# KiCad board Mioke80.kicad_pcb (continued)
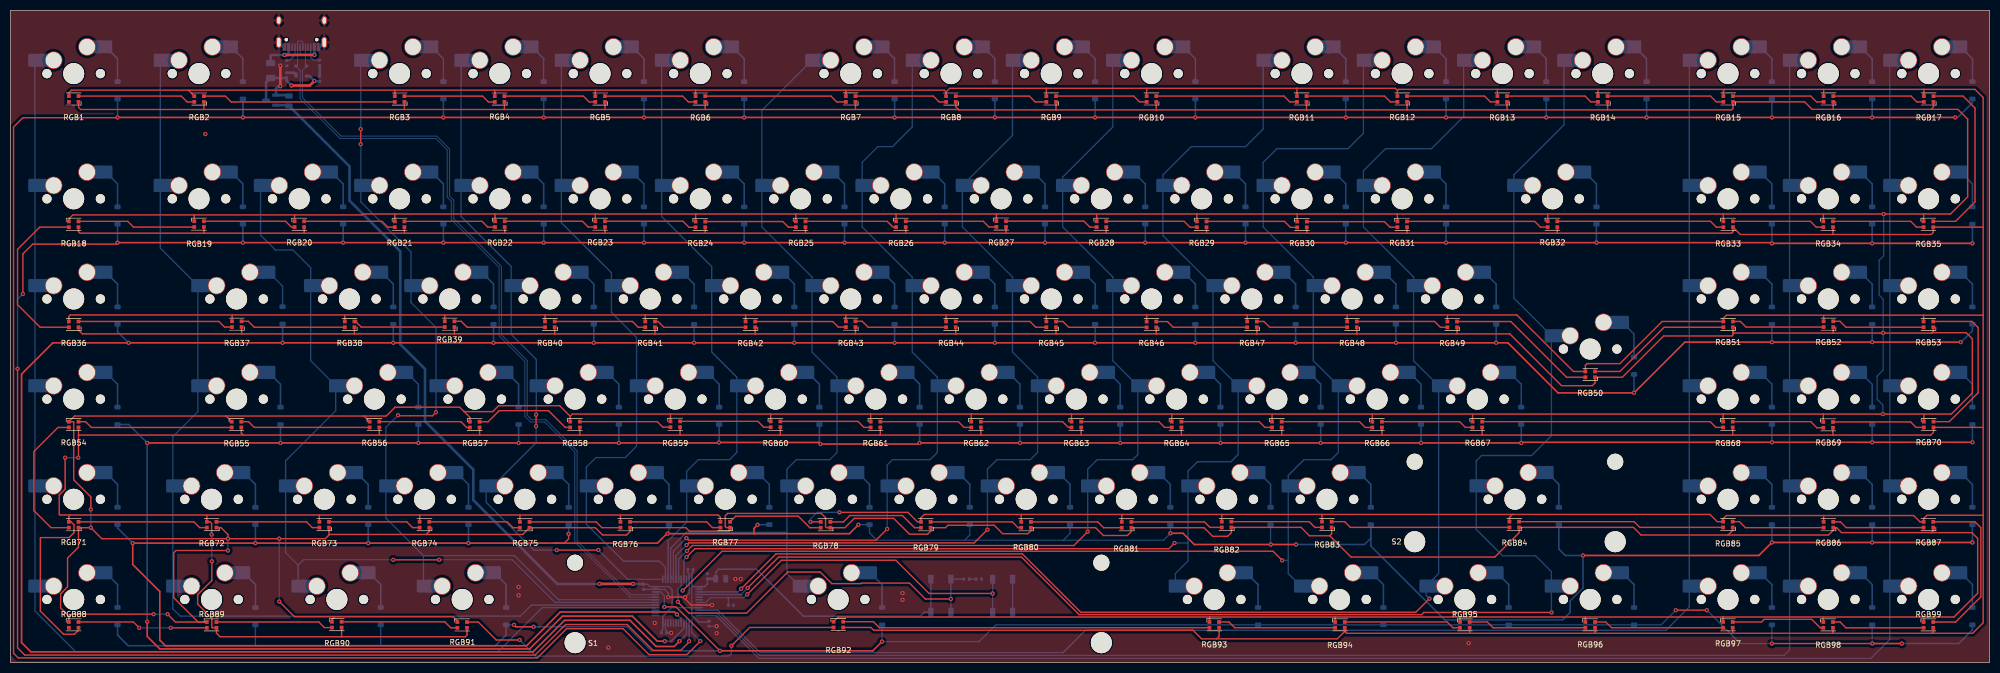
[diagram p0: board, top side]
## Routing (per net, layer and track width the routed paths; a pad name or vN(x,y) marks a point on that pad's centre or on a via; arc(x,y) is an arc through that point) (continued)
Net-(D11-A): length 7.5
  Bottom w0.3: D11.2 253.7,114.84 MX11.2
Net-(D12-A): length 7.5
  Bottom w0.3: 270.5,117.08 272.75,114.84 D12.2
Net-(D13-A): length 7.5
  Bottom w0.3: MX13.2 291.8,114.84 D13.2
Net-(D14-A): length 7.5
  Bottom w0.3: D14.2 310.85,114.84 MX14.2
Net-(D15-A): length 7.5
  Bottom w0.3: MX15.2 334.66,114.84 D15.2
Net-(D16-A): length 7.5
  Bottom w0.3: MX16.2 353.71,114.84 D16.2
Net-(D17-A): length 7.5
  Bottom w0.3: D17.2 372.76,114.84 MX17.2
Net-(D18-A): length 7.5
  Bottom w0.3: MX18.2 20.33,91.02 D18.2
Net-(D19-A): length 7.5
  Bottom w0.3: D19.2 44.15,91.02 MX19.2
Net-(D20-A): length 7.5
  Bottom w0.3: MX20.2 63.2,91.02 D20.2
Net-(D21-A): length 7.5
  Bottom w0.3: MX21.2 82.25,91.02 D21.2
Net-(D22-A): length 7.5
  Bottom w0.3: D22.2 101.3,91.02 MX22.2
Net-(D23-A): length 7.5
  Bottom w0.3: D23.2 120.35,91.02 MX23.2
Net-(D24-A): length 7.5
  Bottom w0.3: MX24.2 139.4,91.02 D24.2
Net-(D25-A): length 7.5
  Bottom w0.3: MX25.2 158.45,91.02 D25.2
Net-(D26-A): length 7.5
  Bottom w0.3: 175.25,93.27 177.5,91.02 D26.2
Net-(D27-A): length 7.5
  Bottom w0.3: MX27.2 196.55,91.02 D27.2
Net-(D28-A): length 7.5
  Bottom w0.3: D28.2 215.6,91.02 MX28.2
Net-(D29-A): length 7.5
  Bottom w0.3: MX29.2 234.65,91.02 D29.2
Net-(D30-A): length 7.5
  Bottom w0.3: MX30.2 253.7,91.02 D30.2
Net-(D31-A): length 7.5
  Bottom w0.3: D31.2 272.75,91.02 270.5,93.27
Net-(D32-A): length 7.5
  Bottom w0.3: D32.2 301.32,91.02 MX32.2
Net-(D33-A): length 7.5
  Bottom w0.3: D33.2 334.66,91.02 MX33.2
Net-(D34-A): length 7.5
  Bottom w0.3: D34.2 353.71,91.02 MX34.2
Net-(D35-A): length 7.5
  Bottom w0.3: D35.2 372.76,91.02 MX35.2
Net-(D36-A): length 7.5
  Bottom w0.3: MX36.2 20.33,71.97 D36.2
Net-(D37-A): length 7.6
  Bottom w0.25: MX37.2 51.69,71.58 D37.2
Net-(D38-A): length 7.5
  Bottom w0.3: D38.2 72.72,71.97 MX38.2
Net-(D39-A): length 7.5
  Bottom w0.3: MX39.2 91.77,71.97 D39.2
Net-(D40-A): length 7.5
  Bottom w0.3: D40.2 110.82,71.97 MX40.2
Net-(D41-A): length 7.5
  Bottom w0.3: MX41.2 129.87,71.97 D41.2
Net-(D42-A): length 7.5
  Bottom w0.3: D42.2 148.92,71.97 MX42.2
Net-(D43-A): length 7.5
  Bottom w0.3: MX43.2 167.97,71.97 D43.2
Net-(D44-A): length 7.5
  Bottom w0.3: D44.2 187.02,71.97 MX44.2
Net-(D45-A): length 7.5
  Bottom w0.3: D45.2 206.07,71.97 MX45.2
Net-(D46-A): length 7.5
  Bottom w0.3: D46.2 225.12,71.97 MX46.2
Net-(D47-A): length 7.5
  Bottom w0.3: MX47.2 244.17,71.97 D47.2
Net-(D48-A): length 7.5
  Bottom w0.3: MX48.2 263.22,71.97 D48.2
Net-(D49-A): length 7.5
  Bottom w0.3: MX49.2 282.27,71.97 D49.2
Net-(D50-A): length 7.5
  Bottom w0.3: MX50.2 308.47,62.45 D50.2
Net-(D51-A): length 7.5
  Bottom w0.3: D51.2 334.66,71.97 MX51.2
Net-(D52-A): length 7.5
  Bottom w0.3: D52.2 353.71,71.97 MX52.2
Net-(D53-A): length 7.5
  Bottom w0.3: D53.2 372.76,71.97 MX53.2
Net-(D54-A): length 7.5
  Bottom w0.3: MX54.2 20.33,52.92 D54.2
Net-(D55-A): length 7.5
  Bottom w0.3: D55.2 51.29,52.92 MX55.2
Net-(D56-A): length 7.5
  Bottom w0.3: D56.2 77.48,52.92 MX56.2
Net-(D57-A): length 7.5
  Bottom w0.3: MX57.2 96.53,52.92 D57.2
Net-(D58-A): length 7.5
  Bottom w0.3: D58.2 115.58,52.92 MX58.2
Net-(D59-A): length 7.5
  Bottom w0.3: MX59.2 134.63,52.92 D59.2
Net-(D60-A): length 7.5
  Bottom w0.3: MX60.2 153.68,52.92 D60.2
Net-(D61-A): length 7.5
  Bottom w0.3: D61.2 172.73,52.92 MX61.2
Net-(D62-A): length 7.5
  Bottom w0.3: MX62.2 191.78,52.92 D62.2
Net-(D63-A): length 7.5
  Bottom w0.3: D63.2 210.83,52.92 MX63.2
Net-(D64-A): length 7.5
  Bottom w0.3: MX64.2 229.88,52.92 D64.2
Net-(D65-A): length 7.5
  Bottom w0.3: D65.2 248.93,52.92 MX65.2
Net-(D66-A): length 7.5
  Bottom w0.3: D66.2 267.98,52.92 MX66.2
Net-(D67-A): length 7.5
  Bottom w0.3: D67.2 287.03,52.92 MX67.2
Net-(D68-A): length 7.5
  Bottom w0.3: MX68.2 334.66,52.92 D68.2
Net-(D69-A): length 7.5
  Bottom w0.3: D69.2 353.71,52.92 MX69.2
Net-(D70-A): length 7.5
  Bottom w0.3: MX70.2 372.76,52.92 D70.2
Net-(D71-A): length 7.5
  Bottom w0.3: D71.2 20.33,33.87 MX71.2
Net-(D72-A): length 7.5
  Bottom w0.3: MX72.2 46.53,33.87 D72.2
Net-(D73-A): length 7.5
  Bottom w0.3: D73.2 67.96,33.87 MX73.2
Net-(D74-A): length 7.5
  Bottom w0.3: D74.2 87.01,33.87 MX74.2
Net-(D75-A): length 7.5
  Bottom w0.3: MX75.2 106.06,33.87 D75.2
Net-(D76-A): length 7.5
  Bottom w0.3: MX76.2 125.11,33.87 D76.2
Net-(D77-A): length 7.5
  Bottom w0.3: MX77.2 144.16,33.87 D77.2
Net-(D78-A): length 7.5
  Bottom w0.3: D78.2 163.21,33.87 MX78.2
Net-(D79-A): length 7.5
  Bottom w0.3: MX79.2 182.26,33.87 D79.2
Net-(D80-A): length 7.5
  Bottom w0.3: D80.2 201.31,33.87 MX80.2
Net-(D81-A): length 7.5
  Bottom w0.3: D81.2 220.36,33.87 MX81.2
Net-(D82-A): length 7.5
  Bottom w0.3: MX82.2 239.41,33.87 D82.2
Net-(D83-A): length 7.5
  Bottom w0.3: MX83.2 258.46,33.87 D83.2
Net-(D84-A): length 7.5
  Bottom w0.3: MX84.2 294.18,33.89 D84.2
Net-(D85-A): length 7.5
  Bottom w0.3: D85.2 334.66,33.87 MX85.2
Net-(D86-A): length 7.5
  Bottom w0.3: D86.2 353.71,33.87 MX86.2
Net-(D87-A): length 7.5
  Bottom w0.3: D87.2 372.76,33.87 MX87.2
Net-(D88-A): length 7.5
  Bottom w0.3: MX88.2 20.33,14.82 D88.2
Net-(D89-A): length 7.5
  Bottom w0.3: MX89.2 46.53,14.82 D89.2
Net-(D90-A): length 7.5
  Bottom w0.3: MX90.2 70.34,14.82 D90.2
Net-(D91-A): length 7.5
  Bottom w0.3: D91.2 94.15,14.82 MX91.2
Net-(D92-A): length 7.5
  Bottom w0.3: D92.2 165.59,14.82 MX92.2
Net-(D93-A): length 7.5
  Bottom w0.3: MX93.2 237.03,14.82 D93.2
Net-(D94-A): length 7.5
  Bottom w0.3: MX94.2 260.84,14.82 D94.2
Net-(D95-A): length 7.5
  Bottom w0.3: MX95.2 284.65,14.82 D95.2
Net-(D96-A): length 7.5
  Bottom w0.3: MX96.2 308.47,14.82 D96.2
Net-(D97-A): length 7.5
  Bottom w0.3: D97.2 334.66,14.82 MX97.2
Net-(D98-A): length 7.5
  Bottom w0.3: MX98.2 353.71,14.82 D98.2
Net-(D99-A): length 7.5
  Bottom w0.3: D99.2 372.76,14.82 MX99.2
Net-(J1-CC1): length 3.5
  Bottom w0.25: J1.A5 54.04,115.55 52.98,114.49 R1.2
Net-(J1-CC2): length 3.9
  Bottom w0.25: R2.1 57.59,114.54 57.01,115.12 57.01,117 J1.B5
Net-(R3-Pad2): length 1.3
  Bottom w0.25: R3.2 R4.1
Net-(RGB1-DOUT): length 22.5
  Top w0.25: RGB2.4 33.54,106.62 32.43,107.72 RGB1.2
Net-(RGB1-VDD): length 2401.8
  Top w0.25: 78.95,24.35 60.6,24.35 60.51,24.26 ; 78.95,24.35 79.56,24.96 RGB74.1 ; 78.95,24.35 97.32,24.35 RGB75.1 111.11,25.64 112.5,24.25 117.05,24.25 117.72,24.92 RGB76.1 128.3,25.65 128.97,24.98 136.48,24.98 136.71,25.21 RGB77.1 135.99,25.66 135.8,25.85 135.8,27.9 136.25,28.35 154.05,28.35 154.85,27.55 154.85,25.85 155.06,25.64 RGB78.1 157.44,25.64 ; 53.95,85.13 66.76,85.13 66.93,85.3 73,85.3 ; 53.95,85.13 53.96,85.12 RGB20.1 ; 53.95,85.13 34.95,85.13 ; 141.5,62.5 122.45,62.5 ; 141.5,62.5 141.49,62.51 RGB42.1 ; 141.5,62.5 160.45,62.5 ; 122.45,62.5 122.44,62.51 RGB41.1 ; 122.45,62.5 103.35,62.5 ; 217.7,62.5 217.69,62.51 RGB46.1 ; 217.7,62.5 198.65,62.5 ; 217.7,62.5 236.8,62.5 ; 93.9,105.18 74.85,105.18 ; 93.9,105.18 93.84,105.24 RGB4.1 ; 93.9,105.18 112.95,105.18 ; 74.85,105.18 36.7,105.18 ; 74.85,105.18 74.84,105.19 RGB3.1 ; RGB33.1 325.44,85.26 325.4,85.3 ; RGB83.1 251.01,24.46 250.65,24.1 ; v1(41.3,23.55) v1(51.05,23.55) 59.8,23.55 60.51,24.26 ; v1(41.3,23.55) 17.34,23.55 v1(15.25,25.64) 12.92,25.64 RGB71.1 12.92,21.93 10.83,19.85 10.83,14.38 9.51,13.06 9.51,10.4 11.08,8.83 RGB88.1 11.08,8.62 11.64,9.18 v1(27.19,9.18) ; v1(41.3,23.55) 41.3,24.35 39.99,25.66 RGB72.1 ; RGB27.1 187.31,85.26 187.35,85.3 ; RGB16.1 346.32,105.22 346.3,105.2 ; RGB68.1 325.38,47.23 325.4,47.25 ; RGB48.1 255.79,62.51 255.8,62.5 ; 365,62.65 365.31,62.96 RGB53.1 ; 365,62.65 365.07,62.73 371.57,62.73 372.75,61.55 372.75,51.25 368.75,47.25 344.45,47.25 ; 365,62.65 355.85,62.65 v1(355.8,62.7) 355.75,62.65 346.35,62.65 ; RGB18.1 11.08,84.36 11.85,85.13 34.95,85.13 ; 325.4,47.25 220.6,47.25 ; 325.4,47.25 344.45,47.25 ; 182.55,47.25 182.53,47.23 RGB62.1 ; 182.55,47.25 201.55,47.25 ; 182.55,47.25 163.4,47.25 ; 179.7,62.5 179.59,62.61 RGB44.1 ; 179.7,62.5 198.65,62.5 ; 179.7,62.5 160.45,62.5 ; 40.95,46.87 12.16,46.87 RGB54.1 11.91,45.8 12,45.71 12,34.75 15.25,31.5 v1(15.25,29.09) ; 40.95,46.87 67.17,46.87 ; 40.95,46.87 RGB55.1 ; RGB57.1 87.28,46.62 86.12,47.78 ; 364.9,105.2 370,105.2 371.85,103.35 371.85,88.55 368.6,85.3 363.5,85.3 ; 364.9,105.2 365.37,105.67 RGB17.1 ; 364.9,105.2 346.3,105.2 ; 292.05,85.3 263.5,85.3 ; 292.05,85.3 292.06,85.29 RGB32.1 ; 292.05,85.3 325.4,85.3 ; 263.5,85.3 263.51,85.29 RGB31.1 ; 263.5,85.3 244.4,85.3 ; 86.12,47.78 85.35,48.55 73.05,48.55 71.37,46.87 67.17,46.87 ; 86.12,47.78 86.18,47.72 91.62,47.72 92.74,48.84 104.33,48.84 106.34,46.84 ; RGB96.1 299.22,8.63 299.2,8.65 ; 61.6,8.7 84.1,8.7 84.9,7.9 RGB91.1 ; 61.6,8.7 53.95,8.7 v1(51.05,11.6) ; 61.6,8.7 61.07,8.17 RGB90.1 ; 246.25,105.1 217.7,105.1 ; 246.25,105.1 265.4,105.1 ; 246.25,105.1 246.24,105.11 RGB11.1 ; 217.7,105.1 198.6,105.1 ; 217.7,105.1 217.69,105.11 RGB10.1 ; RGB69.1 344.43,47.23 344.45,47.25 ; RGB25.1 149.21,85.26 149.25,85.3 ; 244.4,85.3 225.4,85.3 ; 244.4,85.3 244.46,85.24 RGB30.1 ; 225.4,85.3 225.41,85.29 RGB29.1 ; 225.4,85.3 206.3,85.3 ; RGB6.1 131.99,105.22 131.95,105.18 ; RGB38.1 65.34,62.51 65.35,62.5 ; 198.65,62.5 198.64,62.51 RGB45.1 ; RGB63.1 201.58,47.22 201.55,47.25 ; 303.45,105.1 303.44,105.11 RGB14.1 ; 303.45,105.1 284.4,105.1 ; 303.45,105.1 327,105.1 327.27,105.37 RGB15.1 340.88,106.62 342.3,105.2 346.3,105.2 ; 258.73,47.25 RGB66.1 ; 125.4,47.25 125.38,47.23 RGB59.1 ; 125.4,47.25 144.35,47.25 ; 125.4,47.25 106.75,47.25 106.34,46.84 ; RGB94.1 251.67,8.62 251.7,8.65 ; 299.2,8.65 325.4,8.65 ; 299.2,8.65 275.4,8.65 ; RGB22.1 92.06,85.29 92.05,85.3 ; 220.6,47.25 220.63,47.22 RGB64.1 ; 220.6,47.25 201.55,47.25 ; 168.25,85.3 168.26,85.29 RGB26.1 ; 168.25,85.3 187.35,85.3 ; 168.25,85.3 149.25,85.3 ; 73,85.3 92.05,85.3 ; 73,85.3 73.01,85.29 RGB21.1 ; RGB13.1 284.34,105.16 284.4,105.1 ; 187.35,85.3 206.3,85.3 ; 180.2,105.1 198.6,105.1 ; 180.2,105.1 179.59,105.71 RGB8.1 ; 180.2,105.1 180.12,105.18 160.55,105.18 ; 198.6,105.1 198.64,105.14 RGB9.1 ; RGB23.1 111.11,85.24 111.05,85.3 ; 363.5,85.3 363.48,85.28 RGB35.1 ; 363.5,85.3 325.4,85.3 ; RGB1.1 12.92,105.59 13.32,105.18 36.7,105.18 ; 363.53,47.23 RGB70.1 ; RGB47.1 236.79,62.51 236.8,62.5 ; 34.95,85.13 34.91,85.09 RGB19.1 ; 236.8,62.5 255.8,62.5 ; 284.4,105.1 265.4,105.1 ; 265.4,105.1 265.34,105.16 RGB12.1 ; RGB49.1 274.84,62.5 ; 131.95,105.18 112.95,105.18 ; 131.95,105.18 160.55,105.18 ; RGB60.1 144.44,47.17 144.35,47.25 ; 67.17,46.87 RGB56.1 ; RGB43.1 160.54,62.59 160.45,62.5 ; RGB37.1 43.9,62.55 43.95,62.5 ; 251.7,8.65 157.26,8.65 RGB92.1 ; 251.7,8.65 275.4,8.65 ; 106.34,46.84 RGB58.1 ; 325.4,8.65 325.38,8.63 RGB97.1 ; 325.4,8.65 369.25,8.65 373.75,13.15 373.75,23.6 372.65,24.7 365,24.7 ; 365,24.7 347.9,24.7 346.95,25.65 RGB86.1 346.32,25.17 345.4,24.25 326.35,24.25 ; 365,24.7 365.31,25.01 RGB87.1 ; 149.25,85.3 130.25,85.3 ; RGB52.1 346.31,62.69 346.35,62.65 ; RGB5.1 112.94,105.18 112.95,105.18 ; 160.55,105.18 160.54,105.18 RGB7.1 ; 111.05,85.3 92.05,85.3 ; 111.05,85.3 130.25,85.3 ; 275.4,8.65 275.4,8.65 RGB95.1 ; 163.4,47.25 144.35,47.25 ; 163.4,47.25 163.43,47.22 RGB61.1 ; RGB36.1 12.91,63.24 13.65,62.5 43.95,62.5 ; 36.7,105.18 36.74,105.22 RGB2.1 ; 103.35,62.5 84.35,62.5 ; 103.35,62.5 103.39,62.54 RGB40.1 ; 84.35,62.5 65.35,62.5 ; 84.35,62.5 84.34,62.51 RGB39.1 ; 344.43,8.63 RGB98.1 ; 250.65,24.1 254.7,20.05 282,20.05 286.62,24.67 RGB84.1 308.36,25.69 309.8,24.25 326.35,24.25 ; 250.65,24.1 246.8,24.1 245.21,25.69 RGB82.1 231.96,24.71 231.25,24 228.4,24 226.76,25.64 RGB81.1 212.96,24.91 212.2,24.15 207.65,24.15 206.16,25.64 RGB80.1 193.86,25.06 193.3,24.5 188.5,24.5 186.9,26.1 178.1,26.1 177.64,25.64 RGB79.1 174.81,24.96 174.25,24.4 170.8,24.4 167.8,27.4 160.3,27.4 158.54,25.64 157.46,25.64 ; 326.35,24.25 327.21,25.11 RGB85.1 ; RGB73.1 60.51,24.26 ; 346.35,62.65 327.31,62.65 327.26,62.7 RGB51.1 327.26,62.31 327.05,62.1 314.1,62.1 306.25,54.25 RGB50.1 301.05,53.15 300.55,52.65 294.7,52.65 284.85,62.5 255.8,62.5 ; 130.25,85.3 130.16,85.21 RGB24.1 ; 206.3,85.3 206.36,85.24 RGB28.1 ; 65.35,62.5 43.95,62.5 ; v1(41.3,21.3) 31.45,21.3 31,20.85 31,12.33 35.63,7.7 RGB89.1 31.31,7.7 v1(29.83,9.18) ; RGB34.1 344.44,85.29 ; 239.68,47.25 RGB65.1 ; RGB67.1 277.78,47.23 ; RGB93.1 227.8,8.65 ; 363.48,8.62 RGB99.1
  Bottom w0.25: v1(41.3,21.3) v1(41.3,23.55) ; v1(15.25,29.09) v1(15.25,25.64) ; v1(51.05,23.55) v1(51.05,11.6) ; v1(355.75,47.25) 355.75,48.95 354.65,50.05 354.65,54.45 355.8,55.6 v1(355.8,62.7) 355.8,69.1 355.05,69.85 355.05,76.5 355.9,77.35 v1(355.9,85.3) ; v1(27.19,9.18) v1(29.83,9.18)
Net-(RGB1-VSS): length 2377.8
  Top w0.25: 363.5,66.05 363.48,66.03 RGB53.3 ; 363.5,66.05 374.76,66.05 374.81,66 ; 363.5,66.05 326,66.05 325.43,65.48 RGB51.3 313.81,64.86 305.8,56.85 299.55,56.85 299.22,56.52 RGB50.3 296.95,55.35 286.2,66.1 234.85,66.1 ; 146.2,43.25 146.27,43.32 RGB60.3 ; 146.2,43.25 127.25,43.25 ; 146.2,43.25 165.2,43.25 ; 208.15,81.65 227.25,81.65 ; 208.15,81.65 208.19,81.69 RGB28.3 ; 208.15,81.65 189.15,81.65 ; 227.25,81.65 227.24,81.66 RGB29.3 ; 227.25,81.65 246.3,81.65 ; RGB1.3 11.08,108.34 11.59,108.85 33.78,108.85 ; 285.5,28.15 285.35,28.15 284.79,27.59 RGB84.3 ; 285.5,28.15 322.9,28.15 324.26,26.79 RGB85.3 325.38,27.33 326,27.95 361.6,27.95 362.79,26.76 RGB87.3 363.48,27.38 364.1,28 374.81,28 ; 285.5,28.15 249.15,28.15 ; RGB74.3 77.73,28.02 77.7,28.05 ; 211.25,28.15 211.13,28.03 RGB81.3 ; 211.25,28.15 192.05,28.15 ; 211.25,28.15 230.1,28.15 ; 130.15,108.85 158.65,108.85 ; 130.15,108.85 111.1,108.85 ; 130.15,108.85 130.16,108.84 RGB6.3 ; 158.65,108.85 158.71,108.79 RGB7.3 ; 158.65,108.85 177.42,108.85 177.76,108.51 ; RGB21.3 74.84,81.66 74.85,81.65 ; 10.37,38.64 10.37,32.97 9.26,31.85 9.26,28.2 9.41,28.05 58.7,28.05 ; RGB8.3 177.76,108.51 ; 177.76,108.51 178.45,109.2 196.85,109.2 ; 244.4,109.2 263.12,109.2 263.51,108.81 ; 244.4,109.2 215.8,109.2 ; 244.4,109.2 244.41,109.19 RGB11.3 ; v1(152,26.75) 153.92,26.75 RGB78.3 ; RGB40.3 101.56,66.04 101.5,66.1 ; RGB31.3 265.34,81.66 265.35,81.65 ; 196.85,109.2 196.81,109.16 RGB9.3 ; 196.85,109.2 215.8,109.2 ; 89.2,43.25 89.11,43.34 RGB57.3 ; 89.2,43.25 70.15,43.25 ; 89.2,43.25 108.2,43.25 ; RGB42.3 139.66,66.04 139.6,66.1 ; 346.3,81.4 364.95,81.4 365.31,81.76 RGB35.3 374.81,82.8 374.81,82.8 ; 346.3,81.4 346.27,81.43 RGB34.3 ; 346.3,81.4 328.66,81.4 RGB33.3 327.27,81.92 327,81.65 293.9,81.65 ; 101.5,66.1 82.4,66.1 ; 101.5,66.1 120.55,66.1 ; 120.55,66.1 120.61,66.04 RGB41.3 ; 120.55,66.1 139.6,66.1 ; 70.15,43.25 44.25,43.25 ; 70.15,43.25 70.06,43.34 RGB56.3 ; 282.55,109 263.7,109 263.51,108.81 ; 282.55,109 325.75,109 ; 282.55,109 282.51,108.96 RGB13.3 ; 55.85,81.65 55.79,81.71 RGB20.3 ; 55.85,81.65 74.85,81.65 ; 55.85,81.65 36.75,81.65 ; 108.2,43.25 108.17,43.28 RGB58.3 ; 108.2,43.25 127.25,43.25 ; 263.51,108.81 RGB12.3 ; 44.25,43.25 43.85,43.65 43.85,43.65 RGB55.3 ; 44.25,43.25 12.91,43.25 ; 12.91,43.25 12.91,39 v1(12.86,38.95) ; 12.91,43.25 RGB54.3 ; RGB22.3 93.89,81.66 93.9,81.65 ; 63.45,66.1 11.35,66.1 11.08,65.83 RGB36.3 ; 63.45,66.1 63.51,66.04 RGB38.3 ; 63.45,66.1 82.4,66.1 ; 265.35,81.65 293.9,81.65 ; 265.35,81.65 246.3,81.65 ; 293.9,81.65 293.89,81.66 RGB32.3 ; 192.05,28.15 173.6,28.15 172.98,27.53 RGB79.3 172.31,26.74 170.5,28.55 v1(157.5,28.55) ; 192.05,28.15 192.03,28.13 RGB80.3 ; 363.55,109 363.54,108.99 RGB17.3 ; 363.55,109 373.25,109 374.81,107.44 374.81,28 ; 363.55,109 344.45,109 ; RGB65.3 241.51,43.29 241.55,43.25 ; RGB37.3 42.1,64.92 42.1,66.05 42.15,66.1 ; 189.15,81.65 189.14,81.66 RGB27.3 ; 189.15,81.65 170.1,81.65 ; RGB73.3 58.68,28.03 58.7,28.05 ; 222.5,43.25 203.4,43.25 ; 222.5,43.25 241.55,43.25 ; 222.5,43.25 222.46,43.29 RGB64.3 ; 203.4,43.25 203.41,43.26 RGB63.3 ; 203.4,43.25 184.45,43.25 ; 325.75,109 325.44,108.69 RGB15.3 ; 325.75,109 344.45,109 ; 93.9,81.65 112.9,81.65 ; 93.9,81.65 74.85,81.65 ; 230.1,28.15 230.13,28.12 RGB82.3 ; 230.1,28.15 249.15,28.15 ; RGB26.3 170.09,81.66 170.1,81.65 ; 33.78,108.85 73,108.85 ; 33.78,108.85 RGB2.3 ; 77.7,28.05 134.45,28.05 134.88,27.62 RGB77.3 ; 77.7,28.05 58.7,28.05 ; 127.25,43.25 127.21,43.29 RGB59.3 ; 249.15,28.15 249.18,28.12 RGB83.3 ; 73,108.85 73.01,108.84 RGB3.3 ; 73,108.85 91.95,108.85 ; 260.55,43.25 260.56,43.27 RGB66.3 ; 260.55,43.25 241.55,43.25 ; 260.55,43.25 279.65,43.25 ; 37.3,28.05 RGB72.3 37.9,26.76 38.21,26.45 v1(38.21,24.33) ; 301.05,5.55 301.05,5.55 RGB96.3 ; 301.05,5.55 277.25,5.55 ; 301.05,5.55 327.25,5.55 ; RGB46.3 215.86,66.09 215.85,66.1 ; 277.25,5.55 277.23,5.57 RGB95.3 ; 277.25,5.55 253.86,5.55 253.5,5.9 ; RGB90.3 62.9,4.9 62.9,4.9 ; RGB19.3 36.74,81.66 36.75,81.65 ; RGB88.3 12.91,6.13 12.15,5.37 10.07,5.37 5.67,9.77 5.67,23.68 5.75,23.76 11.14,23.76 12.05,24.67 12.05,26.2 11.5,26.75 RGB71.3 11.08,27.79 11.35,28.05 ; 36.75,81.65 13.2,81.65 12.92,81.94 RGB18.3 ; 62.9,4.9 86.4,4.9 86.73,5.23 RGB91.3 ; 62.9,4.9 39.8,4.9 39.13,5.57 RGB89.3 38.35,6.6 38.25,6.7 38.25,8.4 35.55,11.1 35.55,12.9 38.25,15.6 v1(38.25,19.25) ; RGB48.3 253.96,66.09 ; RGB62.3 184.36,43.34 184.45,43.25 ; 346.3,43.25 327.2,43.25 ; 346.3,43.25 346.26,43.29 RGB69.3 ; 346.3,43.25 364.85,43.25 365.36,43.76 RGB70.3 374.8,44.71 374.81,44.7 ; 327.2,43.25 327.21,43.26 RGB68.3 ; 327.2,43.25 279.65,43.25 ; RGB23.3 112.94,81.69 112.9,81.65 ; 344.45,109 344.49,108.96 RGB16.3 ; 177.75,66.1 177.76,66.09 RGB44.3 ; 177.75,66.1 158.65,66.1 ; 177.75,66.1 196.8,66.1 ; 184.45,43.25 165.2,43.25 ; 165.2,43.25 165.26,43.31 RGB61.3 ; RGB45.3 196.81,66.09 196.8,66.1 ; RGB75.3 96.78,28.05 ; 327.25,5.55 327.21,5.59 RGB97.3 ; 327.25,5.55 346.3,5.55 ; RGB25.3 151.04,81.71 151.1,81.65 ; RGB43.3 158.71,66.04 158.65,66.1 ; 234.85,66.1 215.85,66.1 ; 234.85,66.1 234.96,65.99 RGB47.3 ; 215.85,66.1 196.8,66.1 ; RGB4.3 92.01,108.79 91.95,108.85 ; 253.5,5.9 252.1,4.5 229.15,4.5 ; 253.5,5.9 RGB94.3 ; 158.65,66.1 139.6,66.1 ; 346.3,5.55 364.9,5.55 ; 346.3,5.55 346.26,5.59 RGB98.3 ; RGB99.3 365.31,5.61 365.25,5.55 364.9,5.55 ; RGB5.3 111.11,108.84 111.1,108.85 ; 364.9,5.55 372.8,5.55 374.81,7.56 374.81,28 ; RGB10.3 215.86,109.14 215.8,109.2 ; 246.3,81.65 246.29,81.66 RGB30.3 ; 111.1,108.85 91.95,108.85 ; RGB76.3 115.89,28.01 ; 170.1,81.65 151.1,81.65 ; 82.4,66.1 82.51,65.99 RGB39.3 ; 273.01,66.06 RGB49.3 ; 132.05,81.65 131.99,81.71 RGB24.3 ; 132.05,81.65 112.9,81.65 ; 132.05,81.65 151.1,81.65 ; RGB93.3 229.63,4.98 229.15,4.5 ; 279.65,43.25 279.61,43.29 RGB67.3 ; RGB52.3 344.48,65.98 ; RGB14.3 301.61,109 ; 229.15,4.5 226.3,4.5 224.67,6.13 164,6.13 163.48,6.66 RGB92.3 ; 344.49,27.95 RGB86.3
  Bottom w0.25: v1(38.25,19.25) 38.25,24.28 v1(38.21,24.33) ; v1(157.5,28.55) 153.25,28.55 152,27.3 v1(152,26.75) ; v1(10.37,38.95) v1(12.86,38.95)
Net-(RGB2-DOUT): length 36.7
  Top w0.25: RGB2.2 40.82,107.72 41.92,106.62 RGB3.4
Net-(RGB3-DOUT): length 17.6
  Top w0.25: RGB4.4 90.79,106.62 89.69,107.72 RGB3.2
Net-(RGB4-DOUT): length 17.7
  Top w0.25: RGB5.4 109.94,106.62 108.84,107.72 RGB4.2
Net-(RGB5-DOUT): length 17.7
  Top w0.25: RGB5.2 127.69,107.72 128.79,106.62 RGB6.4
Net-(RGB6-DOUT): length 27.2
  Top w0.25: RGB6.2 155.88,107.72 156.97,106.62 RGB7.4
Net-(RGB7-DOUT): length 17.7
  Top w0.25: RGB8.4 176.43,106.62 175.32,107.72 RGB7.2
Net-(RGB8-DOUT): length 17.7
  Top w0.25: RGB9.4 194.67,106.62 193.58,107.72 RGB8.2
Net-(RGB10-DIN): length 17.7
  Top w0.25: RGB10.4 214.51,106.62 213.41,107.72 RGB9.2
Net-(RGB10-DOUT): length 27.2
  Top w0.25: RGB11.4 243.06,106.62 241.96,107.72 RGB10.2
Net-(RGB11-DOUT): length 17.7
  Top w0.25: RGB12.4 262.16,106.62 261.06,107.72 RGB11.2
Net-(RGB12-DOUT): length 17.6
  Top w0.25: RGB12.2 280.06,107.72 281.16,106.62 RGB13.4
Net-(RGB13-DOUT): length 17.7
  Top w0.25: RGB14.4 300.26,106.62 299.16,107.72 RGB13.2
Net-(RGB14-DOUT): length 22.5
  Top w0.25: RGB14.2 322.99,107.72 324.09,106.62 RGB15.4
Net-(RGB15-DOUT): length 17.7
  Top w0.25: RGB16.4 343.14,106.62 342.04,107.72 RGB15.2
Net-(RGB16-DOUT): length 17.7
  Top w0.25: RGB17.4 362.19,106.62 361.09,107.72 RGB16.2
Net-(RGB17-DOUT): length 36.1
  Top w0.25: RGB17.2 370.98,107.72 373.25,105.45 373.25,87.6 369.55,83.9 RGB35.4
Net-(RGB18-DIN): length 22.4
  Top w0.25: RGB19.2 23.35,82.82 22.27,83.9 RGB18.4
Net-(RGB18-DOUT): length 33.6
  Top w0.25: RGB36.4 5.63,63.76 1.33,68.06 1.33,78.57 5.56,82.8 RGB18.2
Net-(RGB19-DIN): length 17.7
  Top w0.25: RGB20.2 53.36,82.81 52.25,83.92 RGB19.4
Net-(RGB20-DIN): length 17.7
  Top w0.25: RGB21.2 71.68,82.8 70.57,83.91 RGB20.4
Net-(RGB21-DIN): length 17.7
  Top w0.25: RGB22.2 90.68,82.82 89.59,83.9 RGB21.4
Net-(RGB22-DIN): length 17.7
  Top w0.25: RGB22.4 108.66,83.92 109.76,82.82 RGB23.2
Net-(RGB23-DIN): length 17.7
  Top w0.25: RGB24.2 128.91,82.77 127.76,83.92 RGB23.4
Net-(RGB24-DIN): length 17.7
  Top w0.25: RGB24.4 146.73,83.87 147.79,82.8 RGB25.2
Net-(RGB25-DIN): length 17.7
  Top w0.25: RGB26.2 167.66,82.81 166.57,83.9 RGB25.4
Net-(RGB26-DIN): length 17.7
  Top w0.25: RGB27.2 185.89,82.84 184.83,83.91 RGB26.4
Net-(RGB27-DIN): length 17.7
  Top w0.25: RGB27.4 203.94,83.94 205.08,82.81 RGB28.2
Net-(RGB28-DIN): length 17.7
  Top w0.25: RGB29.2 224.09,82.79 222.98,83.91 RGB28.4
Net-(RGB29-DIN): length 17.7
  Top w0.25: RGB29.4 242.04,83.89 243.18,82.76 RGB30.2
Net-(RGB30-DIN): length 17.7
  Top w0.25: RGB30.4 261.03,83.86 262.09,82.79 RGB31.2
Net-(RGB31-DIN): length 27.2
  Top w0.25: RGB31.4 289.59,83.89 290.67,82.81 RGB32.2
Net-(RGB32-DIN): length 32
  Top w0.25: RGB33.2 324.1,82.8 322.99,83.91 RGB32.4
Net-(RGB33-DIN): length 17.6
  Top w0.25: RGB34.2 343.09,82.8 341.99,83.9 RGB33.4
Net-(RGB34-DIN): length 17.7
  Top w0.25: RGB35.2 362.13,82.8 361.03,83.9 RGB34.4
Net-(RGB36-DOUT): length 29.6
  Top w0.25: RGB36.2 39.59,64.86 40.66,63.79 RGB37.4
Net-(RGB37-DOUT): length 20.1
  Top w0.25: RGB38.4 46.32,63.76 45.19,64.89 RGB37.2
Net-(RGB38-DOUT): length 17.5
  Top w0.25: RGB39.4 66.62,63.79 65.75,64.67 65.75,65.05
Net-(RGB39-DOUT): length 17.7
  Top w0.25: RGB39.2 85.62,64.89 86.76,63.76 RGB40.4
Net-(RGB40-DOUT): length 17.7
  Top w0.25: RGB41.4 119.26,63.76 118.16,64.86 RGB40.2
Net-(RGB41-DOUT): length 17.7
  Top w0.25: RGB42.4 124.15,63.75 123.04,64.86 RGB41.2
Net-(RGB42-DOUT): length 17.7
  Top w0.25: RGB42.2 156.22,64.85 157.28,63.79 RGB43.4
Net-(RGB43-DOUT): length 17.7
  Top w0.25: RGB44.4 162.96,63.76 161.82,64.89 RGB43.2
Net-(RGB44-DOUT): length 17.7
  Top w0.25: RGB45.4 194.79,63.76 193.69,64.86 RGB44.2
Net-(RGB45-DOUT): length 17.7
  Top w0.25: RGB46.4 201.07,63.74 199.96,64.86 RGB45.2
Net-(RGB46-DOUT): length 17.7
  Top w0.25: RGB47.4 220.89,63.76 219.81,64.84 RGB46.2
Net-(RGB47-DOUT): length 17.6
  Top w0.25: RGB48.4 239.24,63.76 238.14,64.86 RGB47.2
Net-(RGB48-DOUT): length 17.7
  Top w0.25: RGB48.2 270.57,64.86 271.68,63.75 RGB49.4
Net-(RGB49-DOUT): length 28.8
  Top w0.25: RGB49.2 285.05,64.85 295.65,54.25 RGB50.4
Net-(RGB50-DOUT): length 27.9
  Top w0.25: RGB51.4 314.19,63.76 305.79,55.35 RGB50.2
Net-(RGB51-DOUT): length 17.7
  Top w0.25: RGB51.2 328.68,64.86 329.75,63.79 RGB52.4
Net-(RGB52-DOUT): length 17.6
  Top w0.25: RGB53.4 348.73,63.76 347.6,64.89 RGB52.2
Net-(RGB53-DOUT): length 32.2
  Top w0.25: RGB70.4 368.36,45.81 373.85,51.3 373.85,63.7 372.69,64.86 RGB53.2
Net-(RGB54-DIN): length 29.6
  Top w0.25: RGB54.4 14.26,45.8 15.36,44.7 RGB55.2
Net-(RGB54-DOUT): length 27.8
  Top w0.25: RGB71.4 7.67,25.65 4.43,28.89 4.43,40.12 9.01,44.7 RGB54.2
Net-(RGB55-DIN): length 24.8
  Top w0.25: RGB55.4 45.22,45.8 46.31,44.71 RGB56.2
Net-(RGB56-DIN): length 17.7
  Top w0.25: RGB56.4 85.57,45.81 86.68,44.69 RGB57.2
Net-(RGB57-DIN): length 19.4
  Top w0.25: RGB57.4 90.75,45.79 92.86,47.9 102.21,47.9 105.4,44.71 RGB58.2
Net-(RGB58-DIN): length 17.7
  Top w0.25: RGB58.4 122.88,45.81 123.93,44.76 RGB59.2
Net-(RGB59-DIN): length 17.7
  Top w0.25: RGB59.4 141.99,45.86 143.1,44.75 RGB60.2
Net-(RGB60-DIN): length 17.6
  Top w0.25: RGB61.2 162.17,44.71 161.03,45.85 RGB60.4
Net-(RGB61-DIN): length 17.7
  Top w0.25: RGB61.4 180.08,45.81 181.18,44.71 RGB62.2
Net-(RGB62-DIN): length 17.7
  Top w0.25: RGB63.2 200.98,44.71 199.88,45.81 RGB62.4
Net-(RGB63-DIN): length 17.7
  Top w0.25: RGB64.2 219.28,44.71 218.18,45.81 RGB63.4
Net-(RGB64-DIN): length 17.7
  Top w0.25: RGB64.4 237.23,45.81 238.33,44.71 RGB65.2
Net-(RGB65-DIN): length 17.7
  Top w0.25: RGB66.2 257.4,44.7 256.29,45.81 RGB65.4
Net-(RGB66-DIN): length 17.7
  Top w0.25: RGB66.4 275.33,45.8 276.42,44.71 RGB67.2
Net-(RGB67-DIN): length 46.2
  Top w0.25: RGB67.4 322.93,45.81 324.03,44.71 RGB68.2
Net-(RGB68-DIN): length 17.7
  Top w0.25: RGB68.4 342.04,45.81 343.2,44.65 RGB69.2
Net-(RGB69-DIN): length 17.7
  Top w0.25: RGB69.4 361.03,45.75 362.07,44.71 RGB70.2
Net-(RGB71-DOUT): length 24.8
  Top w0.25: RGB72.4 35.93,25.66 34.84,26.75 RGB71.2
Net-(RGB72-DOUT): length 20
  Top w0.25: RGB73.4 57.33,25.66 56.23,26.76 RGB72.2
Net-(RGB73-DOUT): length 17.7
  Top w0.25: RGB73.2 75.28,26.76 76.38,25.66 RGB74.4
Net-(RGB74-DOUT): length 17.7
  Top w0.25: RGB75.4 95.47,25.64 94.35,26.76 RGB74.2
Net-(RGB75-DOUT): length 17.7
  Top w0.25: RGB75.2 111.26,26.74 112.35,25.65 RGB76.4
Net-(RGB76-DOUT): length 17.6
  Top w0.25: RGB77.4 133.34,25.66 132.25,26.75 RGB76.2
Net-(RGB77-DOUT): length 18.6
  Top w0.25: RGB77.2 137.78,27.82 149.67,27.82 151.85,25.64 RGB78.4
Net-(RGB78-DOUT): length 18.7
  Top w0.25: RGB78.2 158.25,26.74 159.46,27.95 169.45,27.95 171.76,25.64 RGB79.4
Net-(RGB79-DOUT): length 17.7
  Top w0.25: RGB80.4 191.43,25.64 190.33,26.74 RGB79.2
Net-(RGB80-DOUT): length 17.7
  Top w0.25: RGB80.2 206.58,26.74 207.68,25.64 RGB81.4
Net-(RGB81-DOUT): length 17.6
  Top w0.25: RGB82.4 227.9,25.69 226.85,26.74 RGB81.2
Net-(RGB82-DOUT): length 17.7
  Top w0.25: RGB82.2 246.73,26.79 247.83,25.69 RGB83.4
Net-(RGB83-DOUT): length 34.2
  Top w0.25: RGB83.2 253.47,26.79 254.57,25.69 RGB84.4
Net-(RGB84-DOUT): length 39.2
  Top w0.25: RGB85.4 309.56,25.69 308.46,26.79 RGB84.2
Net-(RGB85-DOUT): length 17.7
  Top w0.25: RGB86.4 329.62,25.65 328.48,26.79 RGB85.2
Net-(RGB86-DOUT): length 17.6
  Top w0.25: RGB86.2 347.68,26.75 348.77,25.66 RGB87.4
Net-(RGB87-DOUT): length 33.7
  Top w0.25: RGB87.2 373.24,26.76 374.36,25.64 374.36,12.48 369.57,7.7 RGB99.4
Net-(RGB88-DIN): length 24.8
  Top w0.25: RGB89.2 30.45,6.6 v1(30.44,6.59) ; v1(24.45,6.59) 23.33,7.71 RGB88.4
  Bottom w0.25: v1(30.44,6.59) v1(24.45,6.59)
Net-(RGB89-DIN): length 22.4
  Top w0.25: RGB90.2 59.64,6.64 58.58,7.7 RGB89.4
Net-(RGB90-DIN): length 22.5
  Top w0.25: RGB90.4 82.5,7.74 83.65,6.59 RGB91.2
Net-(RGB91-DIN): length 75.5
  Top w0.25: v1(96.76,4.28) 92.29,4.28 88.88,7.69 RGB91.4 ; RGB92.2 140.44,6.66 v1(136.97,3.19)
  Bottom w0.25: v1(96.76,4.28) 99.83,1.21 136.46,1.21 136.97,1.71 v1(136.97,3.19)
Net-(RGB92-DIN): length 70.1
  Top w0.25: RGB92.4 163.94,7.76 165.09,6.61 RGB93.2
Net-(RGB93-DIN): length 22.5
  Top w0.25: RGB94.2 232.61,6.61 231.51,7.71 RGB93.4
Net-(RGB94-DIN): length 22.3
  Top w0.25: RGB95.2 274.05,6.61 272.95,7.71 RGB94.4
Net-(RGB95-DIN): length 22.5
  Top w0.25: RGB96.2 281.68,6.61 280.58,7.71 RGB95.4
Net-(RGB96-DIN): length 24.8
  Top w0.25: RGB96.4 303.08,7.71 304.18,6.61 RGB97.2
Net-(RGB97-DIN): length 18.1
  Top w0.25: RGB97.4 332.69,7.71 333.19,8.2 342.23,8.2 343.83,6.6 RGB98.2
Net-(RGB98-DIN): length 17.7
  Top w0.25: RGB98.4 347.61,7.7 348.71,6.6 RGB99.2

## Copper pours and planes (outline as drawn; the poured copper is in the pictures)
GND on Top, Bottom: -2,127 -2,-5 379,-5 379,127
